# Altium PCB Ali_Main_Board.PcbDoc (part 3 of 3)
Units mm, origin at the board's own origin, x right, y up, seen from the top; angles counter-clockwise.
Board outline 180.2 x 130.2 mm, 2 copper layers (Top Layer, Bottom Layer); 286 components, 198 nets, 878 pads, 305 vias.
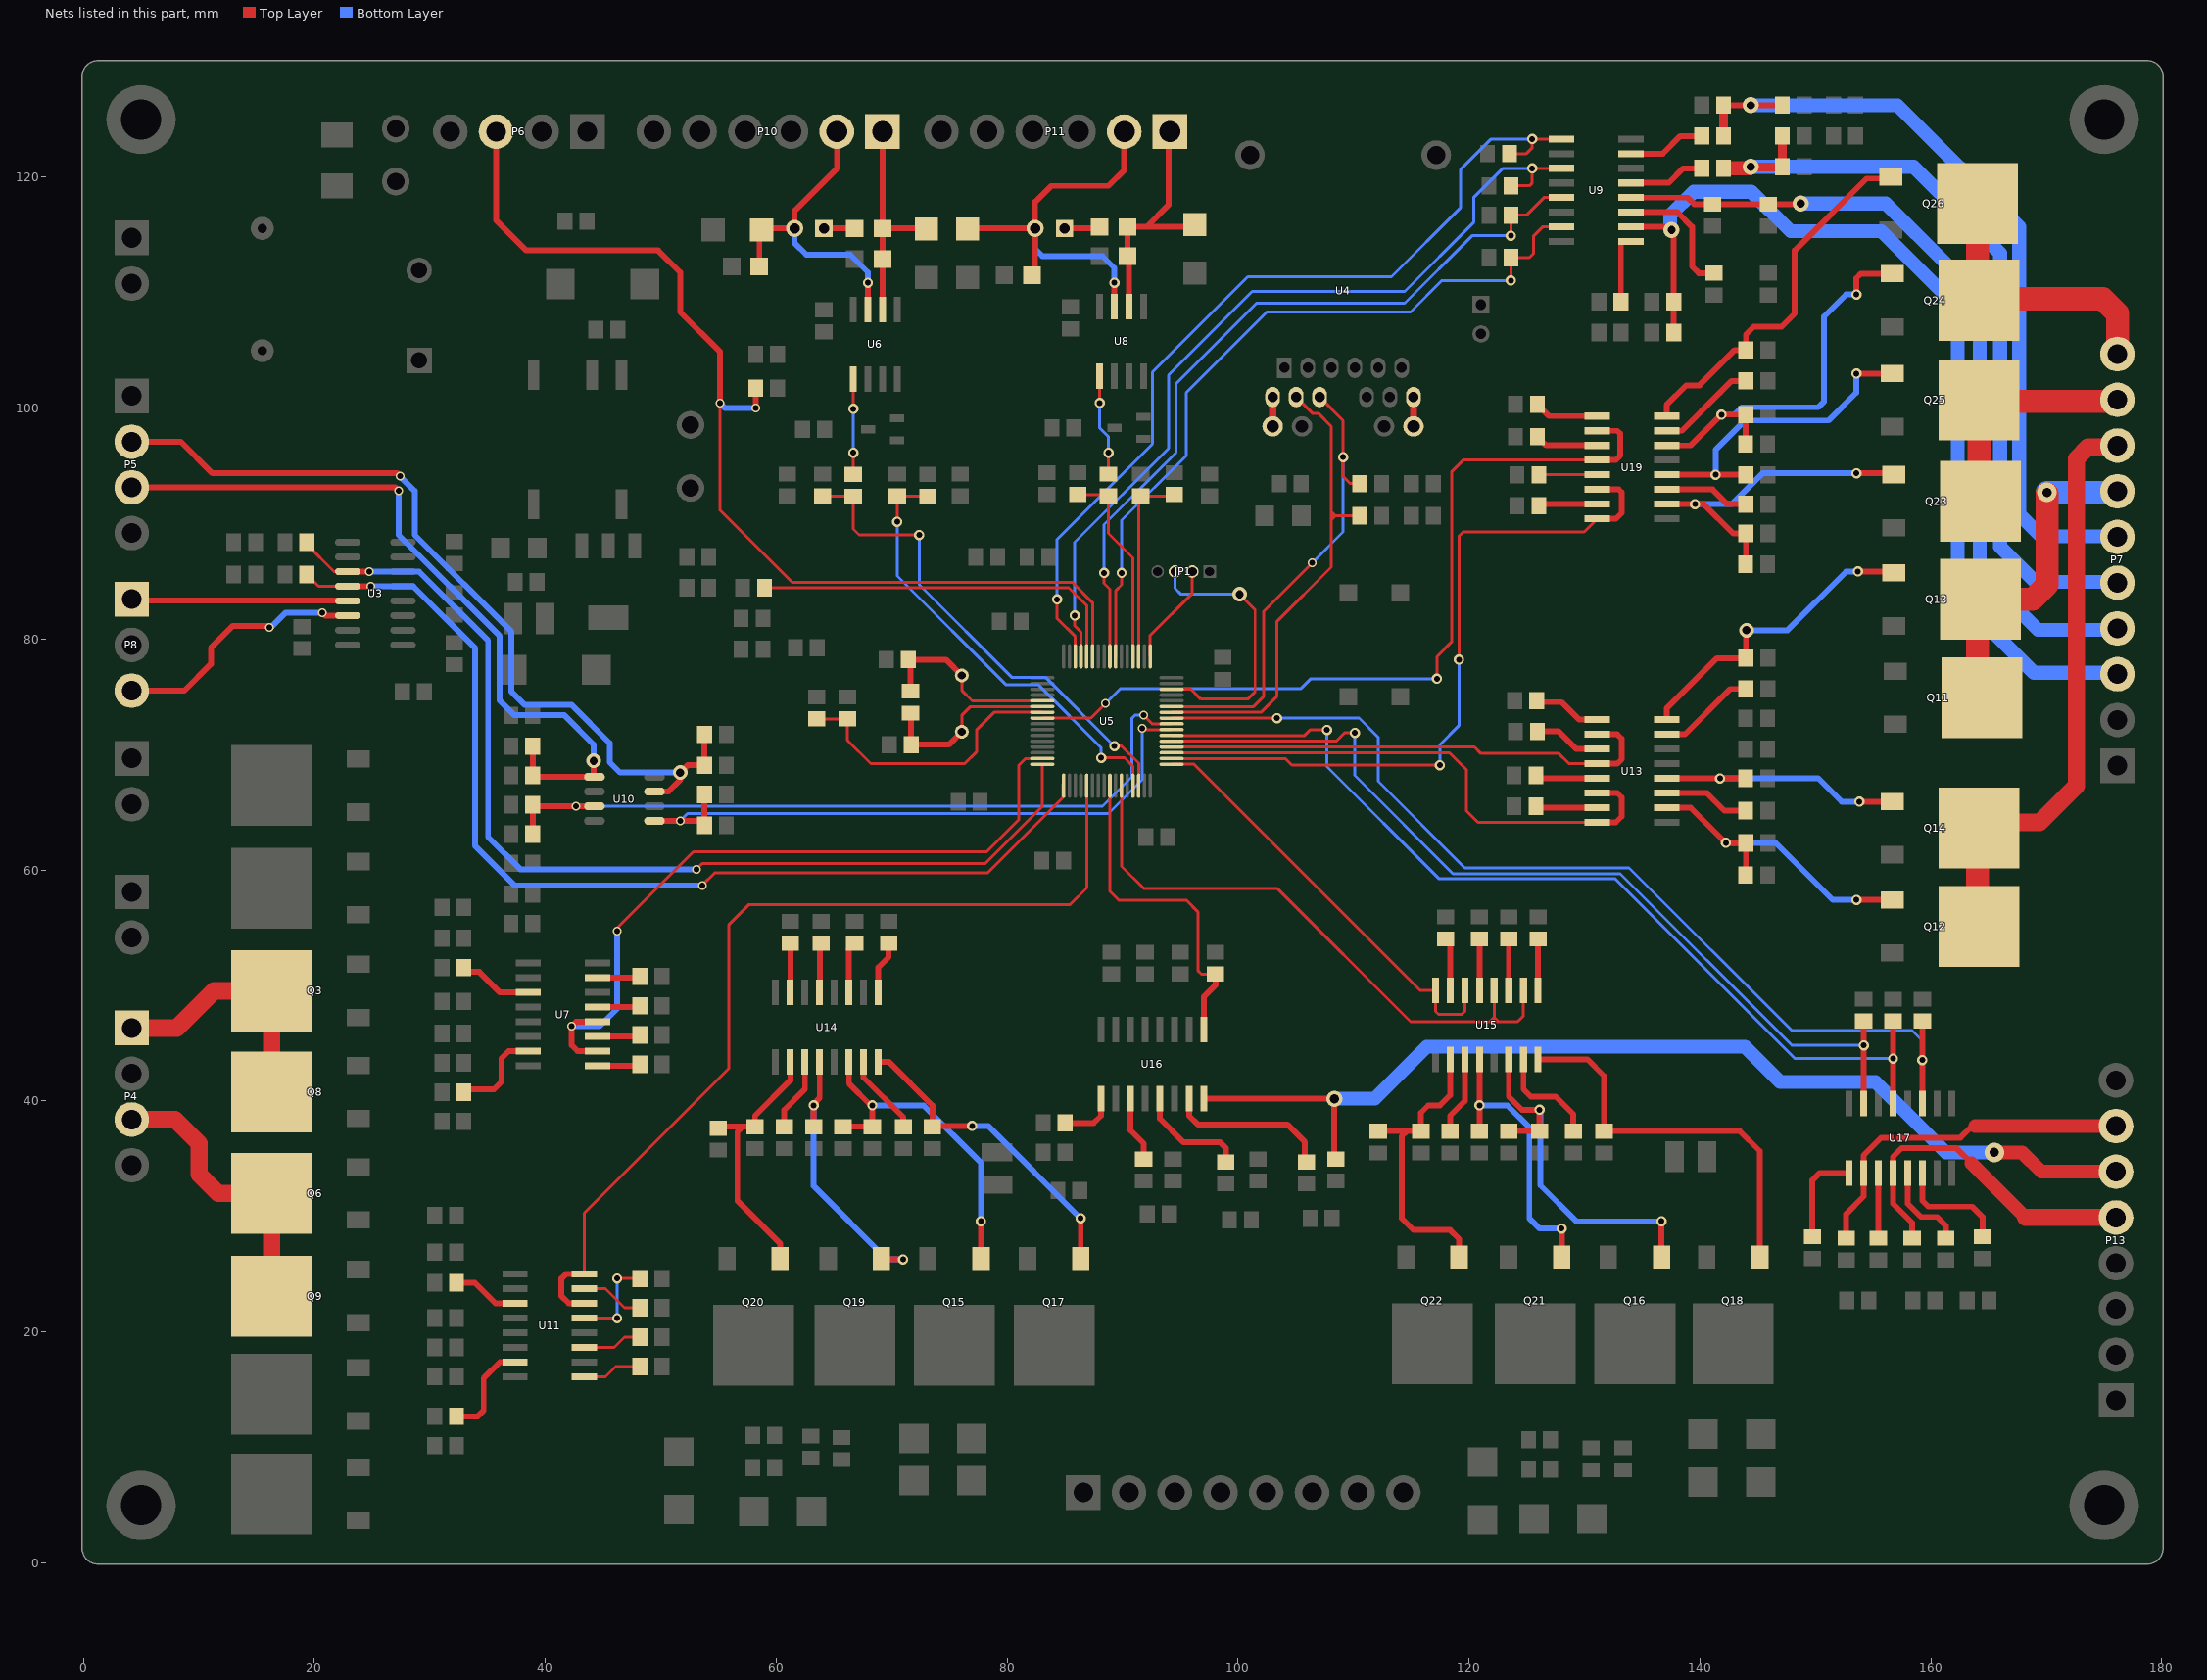
[diagram p3: the nets of this part, all layers, seen from the top]

## Via types
v1: diameter 1.27, hole 0.762, Top Layer to Bottom Layer, 77 vias
v2: diameter 0.889, hole 0.508, Top Layer to Bottom Layer, 68 vias
v3: diameter 1.27, hole 0.711, Top Layer to Bottom Layer, 57 vias
v4: diameter 1.7, hole 0.8, Top Layer to Bottom Layer, 56 vias
v5: diameter 0.762, hole 0.508, Top Layer to Bottom Layer, 31 vias
v6: diameter 1.2, hole 0.7, Top Layer to Bottom Layer, 5 vias
v7: diameter 1.4, hole 0.7, Top Layer to Bottom Layer, 5 vias
v8: diameter 1.2, hole 0.8, Top Layer to Bottom Layer, 2 vias
v9: diameter 1.4, hole 0.8, Top Layer to Bottom Layer, 2 vias
v10: diameter 3.4, hole 3.4, Top Layer to Bottom Layer, 2 vias

## Nets (pads, with @x,y where several pads share a name; then routed paths per layer and width w, separated by ;. In a path a pad name is that pad's centre, name@x,y a point inside that pad or via, vN(x,y) a via of type N, cw(c..) or ccw(c..) an arc to the next point about the centre after c; other vN are vias at no path point) (continued)
NetQ12_1: Q12.1 R87.1 R88.2 U13.10 | length 27.4
  Top Layer w0.5: U13.10@137.112,65.405 139.192,65.405 v2(142.24,62.357) R87.1@143.971,62.357 143.971,59.577 R88.2@143.957,59.563 ; v2(153.543,57.418) Q12.1@156.651,57.418
  Bottom Layer w0.5: v2(142.24,62.357) 146.558,62.357 151.497,57.418 v2(153.543,57.418)
NetQ13_1: Q13.1 R82.1 U13.16 | length 26.7
  Top Layer w0.5: U13.16@137.112,73.025 137.112,73.993 141.478,78.359 R82.1@143.971,78.359 143.971,80.772 v3(144.018,80.772) ; v2@153.864,85.852 Q13.1@156.718,85.852
  Bottom Layer w0.5: v3(144.018,80.772) 147.574,80.772 152.654,85.852 v2(153.67,85.852)
NetQ14_1: Q14.1 R85.1 U13.12 | length 22
  Top Layer w0.5: U13.12@137.747,67.945 R85.1@144.018,67.945 ; v2(153.811,65.927) Q14.1@156.651,65.927
  Bottom Layer w0.5: v2(141.732,67.945) 150.241,67.945 152.259,65.927 v2(153.811,65.927)
NetQ15_1: Q15.1 R97.1 R98.2 U14.14 | length 29
  Top Layer w0.5: R98.2@65.786,37.78 R97.1@68.326,37.78 v2(68.326,39.624) ; U14.14@66.294,43.403 66.308,43.389 66.308,41.515 68.199,39.624 v2@68.453,39.624 ; v2(77.724,29.591) 77.738,29.577 Q15.1@77.738,26.356
  Bottom Layer w0.5: v2(68.326,39.624) 72.771,39.624 77.724,34.671 v2(77.724,29.591)
NetQ16_1: Q16.1 R96.1 R100.2 U15.14 | length 32.3
  Top Layer w0.5: R100.2@123.444,37.399 R96.1@126.111,37.399 v2(126.111,39.243) 124.587,39.243 123.444,40.386 U15.14@123.444,43.601 ; Q16.1@136.666,26.483 v2(136.666,29.591)
  Bottom Layer w0.5: v2(126.111,39.243) 126.176,39.178 126.176,32.701 129.286,29.591 v2(136.666,29.591)
NetQ17_1: Q17.1 R93.1 U14.16 | length 27.8
  Top Layer w0.5: U14.16@68.834,43.403 69.754,43.403 73.533,39.624 R93.1@73.533,37.78 ; R93.1@73.599,37.846 v2(76.962,37.846) v2@76.896,37.78 ; v2(86.36,29.845) 86.374,29.831 Q17.1@86.374,26.356
  Bottom Layer w0.5: v2(76.962,37.846) 78.359,37.846 v2(86.36,29.845)
NetQ18_1: Q18.1 R95.1 U15.16 | length 34.5
  Top Layer w0.5: U15.16@125.984,43.601 130.262,43.601 131.699,42.164 R95.1@131.699,37.399 143.449,37.399 145.175,35.673 Q18.1@145.175,26.483
NetQ19_1: Q19.1 R107.1 U14.12 | length 25.1
  Top Layer w0.5: R107.1@63.246,37.78 63.246,39.751 63.768,40.273 63.768,43.389 U14.12@63.754,43.403 ; Q19.1@69.102,26.356 69.169,26.289 v2(70.993,26.289)
  Bottom Layer w0.5: v2(63.246,39.624) 63.246,32.639 69.596,26.289 v2(70.993,26.289)
NetQ20_1: Q20.1 R108.1 R112.2 U14.10 | length 23.1
  Top Layer w0.5: R112.2@54.991,37.653 55.118,37.78 57.084,37.78 ; Q20.1@60.339,26.483 60.339,27.672 56.642,31.369 56.642,37.338 57.084,37.78 ; U14.10@61.214,43.403 61.228,43.389 61.228,41.797 58.166,38.735 R108.1@58.166,37.78 57.084,37.78
NetQ21_1: Q21.1 R109.1 U15.12 | length 24.8
  Top Layer w0.5: R109.1@120.904,37.399 v2(120.904,39.624) U15.12@120.904,43.601 ; v2(128.016,28.956) 128.03,28.942 Q21.1@128.03,26.483
  Bottom Layer w0.5: v2(120.904,39.624) 123.317,39.624 125.222,37.719 125.222,29.845 126.111,28.956 v2(128.016,28.956)
NetQ22_1: Q22.1 R110.1 R114.2 U15.10 | length 26.5
  Top Layer w0.5: R114.2@112.141,37.399 114.615,37.399 ; U15.10@118.364,43.601 118.364,40.513 117.475,39.624 116.459,39.624 115.824,38.989 R110.1@115.824,37.399 114.615,37.399 ; Q22.1@119.14,26.483 119.14,28.053 118.364,28.829 115.189,28.829 114.173,29.845 114.173,36.957 114.615,37.399
NetQ23_1: Q23.1 R120.1 R121.2 U19.10 | length 29
  Top Layer w0.5: U19.10@137.112,91.694 140.335,91.694 142.875,89.154 R120.1@143.971,89.154 143.971,86.501 R121.2@143.957,86.487 ; v2(153.543,94.361) Q23.1@156.845,94.361
  Bottom Layer w0.5: v2(139.573,91.694) 142.748,91.694 145.415,94.361 v2(153.543,94.361)
NetQ24_1: Q24.1 R118.1 R122.2 U19.14 | length 35.5
  Top Layer w0.5: U19.14@137.112,96.774 139.192,96.774 v2(141.859,99.441) R118.1@143.971,99.441 143.957,99.427 R122.2@143.957,96.901 ; v2(153.543,109.855) 153.543,111.252 153.938,111.647 Q24.1@156.651,111.647
  Bottom Layer w0.5: v2(141.859,99.441) 143.002,99.441 143.637,100.076 150.241,100.076 150.749,100.584 150.749,107.95 152.654,109.855 v2(153.543,109.855)
NetQ25_1: Q25.1 R119.1 U19.12 | length 27.4
  Top Layer w0.5: U19.12@137.747,94.234 R119.1@144.018,94.234 ; v2(153.543,102.997) Q25.1@156.591,102.997
  Bottom Layer w0.5: v2(141.351,94.234) 141.351,96.393 143.891,98.933 151.13,98.933 153.543,101.346 v2(153.543,102.997)
NetQ26_1: Q26.1 R117.1 U19.16 | length 32.5
  Top Layer w0.5: U19.16@137.112,99.314 137.112,100.282 138.811,101.981 139.954,101.981 143.002,105.029 R117.1@143.971,105.029 143.971,106.379 144.653,107.061 147.066,107.061 148.209,108.204 148.209,109.22 148.209,113.665 154.432,119.888 Q26.1@156.538,119.888
NetR7_2: R7.2 U5.60 | length 32.9
  Top Layer w0.254: R7.2@58.989,84.455 60.833,84.455 74.422,84.455 85.344,84.455 86.896,82.903 U5.60@86.896,78.512
NetR15_1: R15.1 W1.1 | length 2.7
  Top Layer w0.5: W1.1@64.135,115.57 R15.1@66.802,115.57
NetR16_1: R16.1 U7.1 | length 3.7
  Top Layer w0.508: U7.1@44.529,43.053 48.072,43.053 R16.1@48.199,43.18
NetR17_2: R17.2 U7.3 | length 3.7
  Top Layer w0.508: U7.3@44.529,45.593 48.072,45.593 R17.2@48.199,45.72
NetR18_2: R18.2 U7.5 | length 3.7
  Top Layer w0.508: U7.5@44.529,48.133 48.072,48.133 R18.2@48.199,48.26
NetR19_2: R19.2 U7.7 | length 3.7
  Top Layer w0.508: U7.7@44.529,50.673 48.072,50.673 R19.2@48.199,50.8
NetR20_2: R20.2 U7.15 | length 8.1
  Top Layer w0.5: R20.2@32.954,41.021 35.56,41.021 36.195,41.656 36.195,43.688 36.83,44.323 U7.15@38.529,44.323
NetR22_2: R22.2 U7.11 | length 6.3
  Top Layer w0.508: R22.2@32.954,51.181 34.29,51.181 36.068,49.403 U7.11@38.529,49.403
NetR30_1: R30.1 U6.1 | length 8.2
  Top Layer w0.254: R30.1@66.675,94.281 v2(66.675,96.139) ; v2(66.675,99.949) U6.1@66.675,102.489
  Bottom Layer w0.254: v2(66.675,96.139) v2(66.675,99.949)
NetR32_1: R32.1 U8.1 | length 8.8
  Top Layer w0.254: v2(88.011,100.457) U8.1@88.011,102.791 ; R32.1@88.773,94.295 v2(88.773,96.139)
  Bottom Layer w0.254: v2(88.011,100.457) 88.011,98.298 88.773,97.536 v2(88.773,96.139)
NetR36_1: R36.1 W2.1 | length 3.1
  Top Layer w0.5: W2.1@84.963,115.57 87.884,115.57 R36.1@88.011,115.697
NetR37_2: R37.2 U11.1 | length 5.2
  Top Layer w0.254: U11.1@43.386,16.129 45.212,16.129 46.101,17.018 R37.2@48.199,17.018
NetR38_2: R38.2 U11.3 | length 5.2
  Top Layer w0.254: U11.3@43.386,18.669 45.974,18.669 46.863,19.558 R38.2@48.199,19.558
NetR39_1: R39.1 U11.5 | length 8.2
  Top Layer w0.254: U11.5@43.386,21.209 v2(46.228,21.209) ; v2(46.228,24.638) R39.1@48.199,24.638
  Bottom Layer w0.254: v2(46.228,21.209) v2(46.228,24.638)
NetR44_2: R44.2 U9.5 | length 6
  Top Layer w0.508: U9.5@134.691,119.507 137.287,119.507 138.557,120.777 R44.2@140.147,120.777
NetR45_2: R45.2 U9.7 | length 6.1
  Top Layer w0.508: U9.7@134.691,122.047 136.779,122.047 138.303,123.571 R45.2@140.147,123.571
NetR46_2: R46.2 U9.1 | length 6.6
  Top Layer w0.5: R46.2@133.157,109.22 133.157,114.234 133.35,114.427 U9.1@134.691,114.427
NetR47_2: R47.2 U9.3 | length 10.7
  Top Layer w0.5: U9.3@134.691,116.967 138.049,116.967 139.319,115.697 139.319,112.268 139.893,111.694 R47.2@141.224,111.694
NetR52_2: R52.2 U11.7 | length 5.5
  Top Layer w0.254: U11.7@43.386,23.749 45.212,23.749 46.863,22.098 R52.2@48.199,22.098
NetR53_2: R53.2 U11.11 | length 5.8
  Top Layer w0.5: R53.2@32.319,24.257 33.909,24.257 35.687,22.479 U11.11@37.386,22.479
NetR54_2: R54.2 U11.15 | length 8.7
  Top Layer w0.5: R54.2@32.319,12.7 34.163,12.7 34.671,13.208 34.671,16.002 36.068,17.399 U11.15@37.386,17.399
NetR61_2: R61.2 U17.1 | length 8.3
  Top Layer w0.5: R61.2@149.733,28.255 149.733,33.147 150.368,33.782 U17.1@152.908,33.782
NetR64_2: R64.2 U16.7 | length 14.2
  Top Layer w0.5: U16.7@95.758,40.202 95.758,38.735 96.52,37.973 104.267,37.973 105.791,36.449 R64.2@105.791,34.732
NetR67_2: R67.2 U16.1 | length 5.8
  Top Layer w0.5: R67.2@85.024,38.1 87.503,38.1 88.138,38.735 U16.1@88.138,40.202 U16.1@88.138,39.243
NetR70_2: R70.2 U16.3 | length 5.7
  Top Layer w0.5: U16.3@90.678,40.202 90.678,37.465 91.821,36.322 R70.2@91.821,34.986
NetR74_1: R74.1 U13.1 | length 7.3
  Top Layer w0.5: R74.1@125.852,74.676 125.979,74.549 127.889,74.549 ; R74.1@126.492,74.549 128.016,74.549 129.54,73.025 U13.1@131.112,73.025
NetR75_1: R75.1 U13.3 | length 5.8
  Top Layer w0.508: R75.1@125.918,72.009 127.762,72.009 129.286,70.485 U13.3@131.112,70.485
NetR76_1: R76.1 U13.5 | length 5.4
  Top Layer w0.508: R76.1@125.791,68.199 126.045,67.945 U13.5@131.112,67.945
NetR77_1: R77.1 U13.7 | length 5.4
  Top Layer w0.508: R77.1@125.791,65.532 125.918,65.405 U13.7@131.112,65.405
NetR79_2: R79.2 U16.5 | length 10.1
  Top Layer w0.5: U16.5@93.218,40.202 93.218,38.481 95.25,36.449 98.425,36.449 98.933,35.941 R79.2@98.933,34.351
NetR81_2: R81.2 U13.15 | length 8.5
  Top Layer w0.5: U13.15@137.112,71.755 138.684,71.755 142.621,75.692 R81.2@143.971,75.692
NetR86_2: R86.2 U13.11 | length 7.5
  Top Layer w0.508: U13.11@137.112,66.675 140.589,66.675 142.113,65.151 R86.2@143.957,65.151
NetR89_2: R89.2 U14.1 | length 4.6
  Top Layer w0.508: U14.1@68.834,49.403 68.848,49.417 68.848,51.576 69.737,52.465 R89.2@69.737,53.66
NetR90_2: R90.2 U14.3 | length 4.5
  Top Layer w0.508: U14.3@66.294,49.403 66.308,49.417 66.308,53.166 R90.2@66.802,53.66
NetR91_2: R91.2 U15.1 | length 4.4
  Top Layer w0.254: R91.2@125.984,53.848 R91.2@125.984,54.041
  Top Layer w0.508: U15.1@125.984,49.601 R91.2@125.984,53.848
NetR92_2: R92.2 U15.3 | length 4.4
  Top Layer w0.5: U15.3@123.444,49.601 R92.2@123.444,54.041
NetR94_2: R94.2 U14.15 | length 7
  Top Layer w0.5: U14.15@67.564,43.403 67.564,42.037 71.007,38.594 R94.2@71.007,37.78
NetR99_2: R99.2 U15.15 | length 9.3
  Top Layer w0.5: U15.15@124.714,43.601 124.714,41.021 125.349,40.386 127.508,40.386 129.032,38.862 R99.2@129.032,37.399
NetR103_1: R103.1 U19.1 | length 5.6
  Top Layer w0.5: R103.1@125.918,100.33 126.934,99.314 U19.1@131.112,99.314
NetR104_1: R104.1 U19.3 | length 5.5
  Top Layer w0.508: R104.1@125.918,97.536 126.68,96.774 U19.3@131.112,96.774
NetR105_1: R105.1 U19.5 | length 5.1
  Top Layer w0.254: R105.1@125.791,94.234 U19.5@130.937,94.234
NetR106_1: R106.1 U19.7 | length 5.1
  Top Layer w0.508: R106.1@126.045,91.567 126.172,91.694 U19.7@131.112,91.694
NetR111_2: R111.2 U14.11 | length 6.4
  Top Layer w0.5: R111.2@60.706,37.78 60.706,39.243 62.498,41.035 62.498,43.389 U14.11@62.484,43.403
NetR113_2: R113.2 U15.11 | length 6.7
  Top Layer w0.5: R113.2@118.364,37.399 118.364,38.735 119.634,40.005 U15.11@119.634,43.601
NetR115_2: R115.2 U19.11 | length 6.8
  Top Layer w0.5: U19.11@137.747,92.964 141.097,92.964 142.367,91.694 R115.2@143.971,91.694
NetR116_2: R116.2 U19.15 | length 8.6
  Top Layer w0.5: U19.15@137.112,98.044 138.43,98.044 141.732,101.346 142.748,102.362 R116.2@143.971,102.362
NetR123_1: R123.1 U14.5 | length 4.3
  Top Layer w0.508: U14.5@63.754,49.403 63.768,49.417 63.768,53.533 R123.1@63.895,53.66
NetR124_1: R124.1 U14.7 | length 4.3
  Top Layer w0.508: U14.7@61.214,49.403 61.228,49.417 R124.1@61.228,53.66
NetR125_2: R125.2 U15.5 | length 4.4
  Top Layer w0.508: U15.5@120.904,49.601 R125.2@120.904,54.041
NetR126_2: R126.2 U15.7 | length 4.6
  Top Layer w0.5: R126.2@117.983,54.041 118.364,53.66 U15.7@118.364,49.601
NetR129_2: R129.2 U17.3 | length 5.7
  Top Layer w0.5: R129.2@155.448,28.128 U17.3@155.448,33.782
NetR130_2: R130.2 U17.5 | length 7.8
  Top Layer w0.5: U17.5@157.988,33.782 157.988,31.115 159.131,29.972 160.528,29.972 161.29,29.21 R130.2@161.29,28.128
NetU4_7: U4.7 U4.13 | length 2.5
  Top Layer w0.6: U4.13@102.997,98.425 U4.7@102.997,100.965
NetU4_12: U4.12 U4.16 | length 2.5
  Top Layer w0.6: U4.16@115.189,98.425 U4.12@115.189,100.965
NPN1: R48.2 U5.55 U9.15 | length 65.5
  Top Layer w0.254: U5.55@89.396,78.512 89.419,78.535 89.419,84.212 89.916,84.709 v2(89.916,85.725) ; v2(123.632,111.059) R48.2@123.632,113.03 ; R48.2@123.759,113.03 125.222,113.03 125.603,113.411 125.603,114.935 126.365,115.697 U9.15@127.691,115.697
  Bottom Layer w0.254: v2(89.916,85.725) 89.916,90.297 95.504,95.885 95.504,101.346 102.489,108.331 114.935,108.331 117.663,111.059 v2@123.759,111.059
NPN2: R49.2 U5.56 U9.13 | length 67.1
  Top Layer w0.254: v2(88.392,85.725) 88.392,84.832 88.896,84.328 U5.56@88.896,78.512 U5.56@88.9,78.516 ; v2(123.632,114.935) R49.2@123.632,116.713 ; R49.2@123.759,116.713 124.968,116.713 126.492,118.237 U9.13@127.691,118.237
  Bottom Layer w0.254: v2(88.392,85.725) 88.392,89.916 94.615,96.139 94.615,102.108 101.6,109.093 114.427,109.093 120.269,114.935 v2(123.632,114.935)
NPNSENSOR1: C24.2 LED20.2 P7.3 U9.2 | length 84.3
  Top Layer w0.5: U9.2@134.691,115.697 v7@137.221,115.697 ; LED20.2@137.729,106.553 C24.2@137.729,109.22 137.729,113.985 v7@137.729,115.189
  Bottom Layer w1.2: v7@137.414,115.443 137.414,116.713 139.446,118.745 140.589,118.745 144.437,118.745 147.866,115.316 155.702,115.316 162.306,108.712 162.306,83.693 168.91,77.089 176.155,77.089 P7.3@176.403,76.841
  other v7: 137.541,115.443
NPNSENSOR2: C25.2 LED11.2 P7.4 U9.4 | length 71.2
  Top Layer w0.5: U9.4@134.691,118.237 138.938,118.237 139.512,117.663 C25.2@141.097,117.663 LED11.2@145.923,117.663 148.651,117.663 v7(148.717,117.729)
  Bottom Layer w1.2: v7(148.717,117.729) 156.083,117.729 161.417,112.395 164.211,109.601 164.211,85.852 169.262,80.801 P7.4@176.403,80.801
OSCIN1: C18.2 R12.2 U5.5 Y1.1 | length 16.7
  Top Layer w0.254: Y1.1@76.073,76.862 76.073,75.565 76.976,74.662 U5.5@83.046,74.662
  Top Layer w0.508: R12.2@71.628,75.499 71.628,78.039 C18.2@71.435,78.232 74.703,78.232 Y1.1@76.073,76.862
OSCOUT1: C16.2 R12.1 U5.6 Y1.2 | length 16.3
  Top Layer w0.254: Y1.2@76.073,71.982 76.073,73.406 76.829,74.162 U5.6@83.046,74.162
  Top Layer w0.508: R12.1@71.628,73.599 71.689,73.538 C16.2@71.689,70.866 74.957,70.866 Y1.2@76.073,71.982
OUTPUTSEN: R132.2 U5.41 U17.11 | length 87.6
  Top Layer w0.254: U5.41@94.246,73.162 v2@103.378,73.162
  Top Layer w0.508: U17.11@159.258,39.782 v2(159.258,43.561) R132.2@159.258,46.929
  Bottom Layer w0.254: v2@103.378,73.162 110.48,73.162 112.141,71.501 112.141,67.691 119.634,60.198 133.858,60.198 147.955,46.101 158.369,46.101 159.258,45.212 v2(159.258,43.561)
  other v2: 103.378,73.152
OUTPUTSENSOR: LED24.2 U17.6 | length 9.9
  Top Layer w0.5: U17.6@159.258,33.782 159.258,31.369 159.766,30.861 163.576,30.861 164.465,29.972 LED24.2@164.465,28.255
PNP1: R50.2 U5.61 U9.11 | length 73.4
  Top Layer w0.254: v2(85.852,82.042) 85.852,81.153 86.396,80.609 U5.61@86.396,78.512 ; R50.2@123.759,119.253 125.222,119.253 125.476,119.507 v2(125.476,120.777) U9.11@127.691,120.777
  Bottom Layer w0.254: v2(85.852,82.042) 85.852,88.392 93.98,96.52 93.98,102.87 101.219,110.109 114.427,110.109 120.396,116.078 120.396,118.237 122.936,120.777 v2(125.476,120.777)
PNP2: R51.2 U5.62 U9.9 | length 77.2
  Top Layer w0.254: v2@84.328,83.566 v2(84.328,83.439) 84.328,81.788 85.896,80.22 U5.62@85.896,78.512 ; R51.2@123.505,122.047 124.968,122.047 125.476,122.555 v2(125.476,123.317) U9.9@127.691,123.317
  Bottom Layer w0.254: v2(84.328,83.439) 84.328,88.646 92.583,96.901 92.583,103.124 100.838,111.379 113.284,111.379 119.253,117.348 119.253,120.65 121.92,123.317 v2(125.476,123.317)
PNPSENSOR1: C26.2 P7.5 R40.1 R44.1 | length 69.8
  Top Layer w0.762: v7@144.272,120.777 v7(144.399,120.904) C26.2@147.132,120.904 147.132,123.632 R40.1@147.066,123.698
  Top Layer w1.2: R44.1@142.047,120.777 v7@144.272,120.777
  Bottom Layer w1.2: v7(144.399,120.904) 158.496,120.904 165.989,113.411 165.989,88.011 169.037,84.963 176.201,84.963 P7.5@176.403,84.761
PNPSENSOR2: C27.2 P7.6 R41.1 R45.1 | length 69.5
  Top Layer w0.5: C27.2@142.047,126.238 v7(144.399,126.238) R41.1@146.751,126.238
  Top Layer w0.762: R45.1@142.047,123.571 C27.2@142.047,126.238
  Bottom Layer w1.2: v7(144.399,126.238) 157.099,126.238 167.64,115.697 167.64,90.805 169.545,88.9 176.224,88.9 P7.6@176.403,88.721
RESET: C22.2 R6.2 U5.7 | length 25.2
  Top Layer w0.254: R6.2@63.5,73.091 C22.2@66.167,73.091 66.167,71.247 68.199,69.215 76.327,69.215 77.343,70.231 77.343,72.136 78.869,73.662 U5.7@83.046,73.662
RIGHT-OPPOSITE: R131.2 U5.38 U17.13 | length 83.5
  Top Layer w0.254: U5.38@94.246,71.662 105.757,71.662 106.231,72.136 v2(107.696,72.136)
  Top Layer w0.508: U17.13@156.718,39.782 v2(156.718,43.688) R131.2@156.718,46.929
  Bottom Layer w0.254: v2(107.696,72.136) 107.696,68.961 117.421,59.236 132.661,59.236 148.209,43.688 v2(156.718,43.688)
RIGHT-OPPOSITESENSOR: LED23.2 P13.5 U17.4 | length 29.8
  Top Layer w0.5: LED23.2@158.369,28.128 158.369,29.464 156.718,31.115 U17.4@156.718,33.782 156.718,35.179 157.48,35.941 162.179,35.941 163.512,34.608
  Top Layer w1.2: 163.512,34.608 168.2,29.92
  Top Layer w1.5: 168.2,29.92 P13.5@176.022,29.92
RIGHTGATE-A: U5.27 U15.2 U15.4 | length 53.6
  Top Layer w0.254: U5.27@89.896,67.312 89.919,67.289 89.919,60.322 91.821,58.42 103.378,58.42 114.935,46.863 124.206,46.863 124.714,47.371 U15.2@124.714,49.601 ; 121.793,46.863 122.174,47.244 ; 122.174,46.863 122.174,47.244 ; U15.4@122.174,49.601 122.174,47.244 ; 122.555,46.863 122.174,47.244
RIGHTGATE-B: U5.33 U15.6 U15.8 | length 37.4
  Top Layer w0.254: U5.33@94.246,69.162 96.192,69.162 115.753,49.601 U15.8@117.094,49.601 117.094,47.752 117.348,47.498 119.38,47.498 119.634,47.752 U15.6@119.634,49.601
RIGHTS-CLOSE: R62.2 U5.37 U17.15 | length 80.9
  Top Layer w0.254: U5.37@94.246,71.162 108.5,71.162 109.22,71.882 v2(110.109,71.882) ; R62.2@154.178,46.929 R62.2@154.178,47.117
  Top Layer w0.508: U17.15@154.178,39.782 v2(154.178,44.831) R62.2@154.178,46.929
  Bottom Layer w0.254: v2(110.109,71.882) 110.109,68.199 118.618,59.69 133.096,59.69 147.955,44.831 v2(154.178,44.831)
RIGHTS-OPEN: R65.2 U5.25 U16.9 | length 28.5
  Top Layer w0.254: U5.25@88.896,67.312 88.896,58.17 89.662,57.404 95.504,57.404 96.52,56.388 96.52,51.308 96.835,50.993 R65.2@98.044,50.993
  Top Layer w0.508: U16.9@97.028,47.202 97.028,49.022 98.044,50.038 R65.2@98.044,50.993
RIGHTSENSOR-CLOSE: LED6.2 P13.7 U17.2 | length 30.7
  Top Layer w0.5: LED6.2@152.654,28.128 152.654,30.226 154.178,31.75 U17.2@154.178,33.782 154.178,35.306 155.702,36.83 162.56,36.83 163.57,37.84 163.83,37.84
  Top Layer w1.2: 163.83,37.84 P13.7@176.022,37.84
RIGHTSENSOR-OPEN: LED7.2 P13.6 U16.8 | length 90.6
  Top Layer w0.5: U16.8@97.028,40.202 v9(108.331,40.202) LED7.2@108.331,34.986
  Top Layer w1.2: v4(165.481,35.56) 167.894,35.56 169.574,33.88 P13.6@176.022,33.88
  Bottom Layer w1.2: v9(108.331,40.202) 111.83,40.202 116.332,44.704 143.891,44.704 146.939,41.656 155.194,41.656 161.29,35.56 v4(165.481,35.56)
RS232_RX2: P8.3 U3.14 | length 22.5
  Top Layer w0.508: P8.3@4.191,75.542 8.74,75.542 11.049,77.851 11.049,79.248 12.954,81.153 16.002,81.153 v5(16.129,81.026) ; v5(20.701,82.296) 20.955,82.042 U3.14@22.886,82.042
  Bottom Layer w0.508: v5(16.129,81.026) 16.256,81.026 17.526,82.296 v5(20.701,82.296)
RS232_TX2: P8.1 U3.13 | length 18.8
  Top Layer w0.508: P8.1@4.191,83.462 4.316,83.337 22.861,83.337 U3.13@22.886,83.312
RS485-A1: D5.1 P10.1 R15.2 R133.2 U6.6 | length 19.3
  Top Layer w0.5: P10.1@69.209,123.952 69.215,123.946 R15.2@69.215,115.57 ; U6.6@69.215,108.537 R133.2@69.215,112.903 R15.2@69.215,115.57 ; D5.1@73.025,115.511 72.966,115.57 R15.2@69.215,115.57
RS485-A2: D15.1 P11.1 R36.2 R135.2 U8.6 | length 22.5
  Top Layer w0.5: R135.2@90.424,113.157 R36.2@90.424,115.697 92.075,115.697 ; U8.6@90.551,108.791 R135.2@90.551,113.03 ; P11.1@93.974,124.714 93.974,117.596 92.075,115.697 ; D15.1@96.266,115.892 96.071,115.697 92.075,115.697
RS485-B1: D14.2 P10.2 R134.1 U6.7 W1.2 | length 28
  Top Layer w0.5: R134.1@58.547,112.268 58.547,115.248 D14.2@58.742,115.443 58.869,115.57 W1.2@61.595,115.57 61.595,117.094 65.249,120.748 P10.2@65.249,123.952 ; U6.7@67.945,108.537 v2(67.945,110.871)
  Bottom Layer w0.5: W1.2@61.595,115.57 61.595,114.3 62.611,113.284 66.421,113.284 67.945,111.76 v2(67.945,110.871)
RS485-B2: D16.2 P11.2 R136.1 U8.7 W2.2 | length 37.3
  Top Layer w0.5: D16.2@76.581,115.511 76.64,115.57 W2.2@82.423,115.57 ; R136.1@82.423,111.252 W2.2@82.423,115.57 ; U8.7@89.281,108.791 v2(89.281,110.871) ; P11.2@90.141,123.952 90.141,120.621 88.773,119.253 83.82,119.253 82.423,117.856 W2.2@82.423,115.57
  Bottom Layer w0.5: W2.2@82.423,115.57 82.423,113.792 83.058,113.157 88.265,113.157 89.281,112.141 v2(89.281,110.871)
RUN1: P4.1 Q3.2 Q8.2 | length 21.6
  Top Layer w1.5: P4.1@4.826,46.326 8.099,46.326 11.317,49.544 Q3.2@16.316,49.544 Q8.2@16.316,40.781
RUN1_OUT: U5.15 U7.2 U7.4 | length 63.7
  Top Layer w0.254: v5(46.228,54.737) 46.228,54.991 52.832,61.595 78.232,61.595 81.026,64.389 81.026,69.088 81.6,69.662 U5.15@83.046,69.662
  Top Layer w0.508: U7.2@44.529,44.323 42.799,44.323 42.291,44.831 v5(42.291,46.482) 42.672,46.863 U7.4@44.529,46.863
  Bottom Layer w0.508: v5(42.291,46.482) 44.704,46.482 46.228,48.006 v5(46.228,54.737)
RUN2: P4.3 Q6.2 Q9.2 | length 25.2
  Top Layer w1.5: P4.3@4.191,38.406 7.949,38.406 10.033,36.322 10.033,33.655 11.684,32.004 Q6.2@16.316,32.004 Q9.2@16.316,23.114
RUN2_OUT: U5.21 U11.6 U11.8 | length 82.5
  Top Layer w0.254: U11.8@43.386,25.019 43.386,30.305 55.88,42.799 55.88,55.245 57.658,57.023 85.471,57.023 86.896,58.448 U5.21@86.896,67.312
  Top Layer w0.508: U11.6@43.386,22.479 42.037,22.479 41.402,23.114 41.402,24.638 41.783,25.019 U11.8@43.386,25.019
SCK: P6.3 R9.2 U5.59 | length 92.8
  Top Layer w0.254: v5(55.118,100.457) 55.118,91.186 61.395,84.909 85.652,84.909 87.396,83.165 U5.59@87.396,78.512 ; v5(58.232,100.01) v5@58.293,99.949
  Top Layer w0.508: P6.3@35.739,123.952 35.739,116.28 38.354,113.665 49.784,113.665 51.689,111.76 51.689,108.331 55.118,104.902 v5(55.118,100.457) ; v5(58.232,100.01) R9.2@58.232,101.727
  Bottom Layer w0.508: v5(55.118,100.457) 55.565,100.01 v5(58.232,100.01)
SPARE1_24V/3A: U5.36 U13.2 U13.4 | length 43.8
  Top Layer w0.254: U5.36@94.246,70.662 120.473,70.662 121.031,70.104 127.762,70.104 128.651,69.215 U13.4@131.112,69.215
  Top Layer w0.508: U13.4@131.112,69.215 132.842,69.215 133.223,69.596 133.223,71.374 132.842,71.755 U13.2@131.112,71.755
SPARE1_24V/3A_OUT: P7.7 Q11.2 Q13.2 | length 28.9
  Top Layer w2: Q11.2@164.038,73.025 Q13.2@164.038,81.661 ; Q13.2@164.278,83.439 168.783,83.439 170.053,84.709 v4@170.053,92.583
  Bottom Layer w2: v4(170.053,92.71) 176.12,92.71 P7.7@176.149,92.681
SPARE2_24V/3A: U5.35 U13.6 U13.8 | length 47.9
  Top Layer w0.254: U5.35@94.246,70.162 118.306,70.162 119.761,68.707 ; 119.761,68.516 119.761,68.707 ; U13.8@131.112,64.135 120.777,64.135 119.761,65.151 119.761,68.707
  Top Layer w0.508: U13.8@131.112,64.135 132.715,64.135 133.223,64.643 133.223,66.294 132.842,66.675 U13.6@131.112,66.675
SPARE2_24V/3A_OUT: P7.8 Q12.2 Q14.2 | length 51
  Top Layer w1.2: Q14.2@164.151,63.627 Q14.2@164.659,64.135
  Top Layer w1.5: Q14.2@164.659,64.135 169.418,64.135 172.593,67.31 172.593,72.263 172.593,95.631 173.603,96.641 P7.8@176.149,96.641
  Top Layer w2: Q14.2@164.024,64.77 164.024,56.021 Q12.2@164.038,56.007
SPARE3_24V/3A: U5.34 U19.6 U19.8 | length 62.9
  Top Layer w0.254: U5.34@94.246,69.662 104.084,69.662 104.658,69.088 v2(117.475,69.088) ; v2(119.126,78.232) 119.126,88.9 119.507,89.281 129.969,89.281 U19.8@131.112,90.424
  Top Layer w0.508: U19.8@131.112,90.424 132.715,90.424 133.223,90.932 133.223,92.71 132.969,92.964 U19.6@131.112,92.964
  Bottom Layer w0.254: v2(117.475,69.088) 117.475,70.866 119.126,72.517 v2(119.126,78.232)
SPARE3_24V/3A_OUT: P7.9 Q23.2 Q25.2 | length 22.6
  Top Layer w2: Q23.2@164.151,90.297 164.151,100.601 171.086,100.601 P7.9@176.403,100.601
SPARE4_24V/3A: U5.8 U19.2 U19.4 | length 73.2
  Top Layer w0.254: U5.8@83.056,73.152 U5.8@83.046,73.162 87.259,73.162 v5(88.519,74.422) ; v2(117.221,76.581) 117.221,78.486 118.491,79.756 118.491,94.488 119.507,95.504 U19.4@131.112,95.504
  Top Layer w0.508: U19.4@131.112,95.504 132.715,95.504 133.096,95.885 133.096,97.79 132.842,98.044 U19.2@131.112,98.044
  Bottom Layer w0.254: v5(88.519,74.422) 89.789,75.692 105.41,75.692 106.299,76.581 v2(117.221,76.581)
SPARE4_24V/3A_OUT: P7.10 Q24.2 Q26.2 | length 23.6
  Top Layer w2: Q26.2@164.038,116.84 164.038,109.474 171.49,109.474 174.879,109.474 176.149,108.204 P7.10@176.149,104.561
TCK/SWCLK: JP1.2 U5.49 | length 8.8
  Top Layer w0.254: U5.49@92.396,78.512 92.396,80.331 96.036,83.971 JP1.2@96.036,85.852
TMS/SWDIO: JP1.3 U5.46 | length 24.4
  Top Layer w0.254: U5.46@94.246,75.662 95.915,75.662 96.774,74.803 100.838,74.803 101.473,75.438 101.473,82.55 v3(100.139,83.883) v3@99.949,84.074
  Bottom Layer w0.254: JP1.3@94.536,85.852 94.536,84.407 95.059,83.883 v3(100.139,83.883)
USART1_RX: LED3.2 U4.9 U5.43 | length 41.3
  Top Layer w0.254: U5.43@94.246,74.162 101.34,74.162 102.235,75.057 102.235,82.423 v5(106.426,86.614) ; U4.9@107.061,100.965 109.093,98.933 v2(109.093,95.758) 109.093,94.107 109.728,93.472 LED3.2@110.542,93.472
  Bottom Layer w0.254: v5(106.426,86.614) 109.093,89.281 v2(109.093,95.758)
USART1_TX: LED2.2 U4.8 U5.42 | length 42.8
  Top Layer w0.254: U5.42@94.246,73.662 101.983,73.662 103.378,75.057 103.378,81.534 108.077,86.233 108.077,90.297 ; U4.8@105.029,100.965 106.426,99.568 106.934,99.568 108.077,98.425 108.077,91.059 ; LED2.2@110.542,90.678 108.585,90.678 ; 108.077,90.297 108.458,90.678 ; 108.077,90.297 108.077,90.678 ; 108.077,90.678 108.585,90.678 ; 108.077,90.678 108.077,91.059 ; 108.077,91.059 108.458,90.678 ; 108.458,90.678 108.585,90.678
USART2_RX: D3.2 U3.12 U5.17 | length 91
  Top Layer w0.254: D3.2@19.365,85.598 20.381,84.582 U3.12@22.886,84.582 ; v5(53.594,58.674) 54.673,59.753 78.295,59.753 84.836,66.294 U5.17@84.836,67.437
  Top Layer w0.508: U3.12@22.886,84.582 v5(24.892,84.582)
  Bottom Layer w0.508: v5(24.892,84.582) 28.575,84.582 33.909,79.248 33.909,62.103 37.338,58.674 v5(53.594,58.674)
USART2_TX: D2.2 U3.11 U5.16 | length 91.4
  Top Layer w0.254: D2.2@19.365,88.392 19.365,88.204 21.717,85.852 U3.11@22.733,85.852 ; v5(53.086,60.071) 53.594,60.579 78.105,60.579 83.046,65.52 U5.16@83.046,69.162
  Top Layer w0.508: U3.11@22.733,85.852 U3.11@22.886,85.852 v5(24.765,85.852)
  Bottom Layer w0.508: v5(24.765,85.852) 29.083,85.852 35.052,79.883 35.052,62.865 37.846,60.071 v5(53.086,60.071)
USART3_RX: LED19.2 R30.2 U5.30 | length 43.2
  Top Layer w0.254: LED19.2@64.008,92.395 64.022,92.381 R30.2@66.675,92.381 66.675,89.535 67.183,89.027 v2(72.39,89.027) ; v2@89.154,70.739 v2(89.281,70.739) 89.916,70.739 91.396,69.259 U5.30@91.396,67.312
  Bottom Layer w0.254: v2(72.39,89.027) 72.39,84.709 80.391,76.708 83.312,76.708 v2(89.281,70.739)
USART3_TX: LED18.2 R31.1 U5.29 | length 39.1
  Top Layer w0.254: v2(70.485,90.17) 70.485,92.381 LED18.2@73.152,92.381 ; v2(88.138,69.723) 90.17,69.723 90.896,68.997 U5.29@90.896,67.312 ; U5.29@90.873,67.335 U5.29@90.896,67.312 ; U5.29@90.919,67.289 U5.29@90.896,67.312
  Bottom Layer w0.254: v2(70.485,90.17) 70.485,85.471 79.883,76.073 82.677,76.073 88.138,70.612 v2(88.138,69.723)
USART4_RX: LED13.2 R32.2 U5.52 | length 17.7
  Top Layer w0.254: LED13.2@86.36,92.522 89.267,92.522 R32.2@89.281,92.536 ; R32.2@88.773,92.395 88.773,89.154 90.896,87.031 90.896,86.904 U5.52@90.896,78.512
USART4_TX: LED12.2 R33.1 U5.51 | length 16.6
  Top Layer w0.254: U5.51@91.396,78.512 91.419,78.535 R33.1@91.419,92.395 ; R33.1@91.44,92.395 LED12.2@94.107,92.395
VIBRATION1_IN_MCU: C30.2 R139.1 U5.39 U10.1 | length 55.7
  Top Layer w0.254: v5(91.694,72.263) 91.795,72.162 U5.39@94.246,72.162
  Top Layer w0.508: U10.1@49.463,64.262 53.406,64.262 R139.1@53.787,63.881 C30.2@53.787,66.548
  Bottom Layer w0.254: v5(51.689,64.262) 52.324,64.897 88.773,64.897 91.694,67.818 v5(91.694,72.263)
VIBRATION2_IN_MCU: C35.2 R141.1 U5.40 U10.7 | length 66.1
  Top Layer w0.254: v5(91.821,73.406) 92.565,72.662 U5.40@94.246,72.662
  Top Layer w0.508: R141.1@38.923,63.119 C35.2@38.923,65.659 39.05,65.532 U10.7@44.263,65.532
  Bottom Layer w0.254: v5(42.672,65.532) 88.265,65.532 90.805,68.072 90.805,73.152 91.059,73.406 v5(91.821,73.406)
"VIBRATION SENSOR1": C29.1 P5.2 R73.2 U10.3 | length 73.9
  Top Layer w0.508: P5.2@4.191,97.103 8.434,97.103 11.176,94.361 27.178,94.361 v5(27.432,94.107) ; U10.3@49.463,66.802 50.673,66.802 51.689,67.818 v3(51.689,68.453) 52.324,69.088 R73.2@53.787,69.088 C29.1@53.787,71.755
  Bottom Layer w0.508: v5(27.432,94.107) 28.702,92.837 28.702,89.027 37.084,80.645 37.084,75.438 38.227,74.295 42.291,74.295 45.593,70.993 45.593,69.342 46.482,68.453 v3(51.689,68.453)
"VIBRATION SENSOR2": C34.1 P5.3 R140.2 U10.5 | length 65.5
  Top Layer w0.508: P5.3@4.191,93.143 26.999,93.143 v5(27.305,92.837) ; R140.2@38.923,70.739 C34.1@38.923,68.199 39.05,68.072 U10.5@44.263,68.072 44.196,68.139 v3(44.196,69.469)
  Bottom Layer w0.508: v5(27.305,92.837) 27.305,89.027 36.068,80.264 36.068,74.676 37.338,73.406 41.656,73.406 44.196,70.866 v3(44.196,69.469)
pads on no net: P12.8 P13.8 U1.8 U3.7 U3.8 U3.9 U3.10 U4.1 U4.2 U4.3 U4.4 U4.5 U4.17 U5.2 U5.3 U5.4 U5.28 U5.44 U5.45 U5.50 U5.53 U5.54 U17.7 U17.8 U17.9 U17.10
copper on no net:
  other v10: 102.743,118.745 115.443,118.745

## Polygon pours and split planes (outlines as drawn)
24V0 on Top Layer "Bottom Layer-No Net" (solid, remove dead copper, pour order 6): 14.351,129.794 14.859,129.286 86.106,129.286 86.106,110.49 83.566,107.95 78.105,102.489 47.625,102.489 47.498,102.489 41.275,96.266 40.005,94.996 40.005,44.958 40.005,44.196 43.688,40.513 44.196,40.005 133.35,40.005 134.239,40.005 138.811,44.577 138.049,45.339 138.049,123.317 138.049,128.143 139.7,129.794 166.624,129.794 166.878,129.794 169.926,126.746 169.926,117.094 169.926,115.443 172.72,112.649 178.943,106.426 178.943,74.93 178.943,15.367 175.768,12.192 174.244,10.668 168.275,10.668 168.275,6.858 162.306,0.889 160.909,-0.508 150.241,-0.508 16.256,-0.508 11.176,4.572 10.414,5.334 10.414,10.414 10.414,10.795 5.969,15.24 0.635,20.574 0.635,31.242 0.635,112.522 2.794,114.681 5.461,117.348 10.414,117.348 10.414,120.396 11.811,121.793 14.224,124.206 14.224,129.667
GND on Top Layer "Bottom Layer-No Net" (solid, remove dead copper, pour order 10): 86.614,129.413 137.287,129.413 138.43,128.27 137.287,127.127 137.287,45.212 137.287,45.085 131.826,39.624 131.318,40.132 45.847,40.132 45.212,40.132 40.259,45.085 38.862,46.482 38.862,93.212 38.862,94.107 48.514,103.759 48.895,103.378 77.47,103.378 78.486,103.378 86.106,110.998 86.233,111.125 86.233,129.54
24V0 on Bottom Layer "Bottom Layer-No Net" (solid, remove dead copper, pour order 8): 15.24,129.286 87.503,129.286 87.63,129.159 86.36,127.889 86.36,109.728 86.36,109.601 79.121,102.362 77.089,100.33 46.101,100.33 46.101,99.949 38.735,92.583 38.735,43.942 40.64,43.942 44.196,40.386 45.212,39.37 133.858,39.37 133.858,40.513 138.43,45.085 138.938,45.593 138.938,127.508 138.938,127.635 140.589,129.286 140.97,128.905 168.656,128.905 168.656,127.762 170.053,126.365 170.434,125.984 170.434,115.189 170.434,113.665 178.816,105.283 178.816,14.859 178.054,14.859 173.863,10.668 173.609,10.414 168.529,10.414 168.529,7.747 166.624,5.842 161.29,0.508 160.909,0.508 15.494,0.508 15.113,0.889 10.541,5.461 10.541,5.715 10.541,10.541 10.16,10.922 0.762,20.32 0.762,20.955 0.762,111.633 1.651,112.522 4.699,115.57 4.699,116.967 9.652,116.967 9.779,117.094 10.922,118.237 10.922,120.777
GND on Bottom Layer "Bottom Layer-No Net" (solid, remove dead copper, pour order 12): 86.868,130.175 138.382,130.175 138.557,130 136.779,128.222 136.779,44.704 136.144,44.704 131.445,40.005 130.683,40.767 45.339,40.767 45.339,42.799 39.116,49.022 38.989,49.149 38.989,94.996 39.624,94.996 48.006,103.378 49.022,102.362 77.597,102.362 77.597,103.378 85.471,111.252

## Keep-outs
Keep-Out Layer:
  lines w0.1: 0,-5 180,-5
  lines w0.2: 0,1.143 0,128.73 cw(c1.27,128.73) 1.27,130 178.73,130 cw(c178.73,128.73) 180,128.73 180,1.27 cw(c178.73,1.27) 178.73,0 ; 0,2.032 0,1.27 ccw(c1.27,1.27) 1.27,0 ; 1.905,0 1.27,0 ; 178.054,0 178.73,0 ; 1.27,0 178.73,0

## Other copper
Top Layer:
  rectangle net +24V: 0.635,68.072 6.858,71.755
  rectangle net +5V: 1.016,99.314 7.239,104.638
  rectangle net +24VIN: 2.286,113.03 17.526,119.507
  rectangle net +24V: 13.716,102.997 33.274,108.966
  rectangle net +24V: 13.843,97.409 33.274,102.997
  region net +24V: 32.956,101.409 38.989,107.442 35.369,111.062 29.337,105.029
  rectangle net +24V: 35.306,105.537 44.958,112.268
  rectangle net GND: 37.719,101.6 39.751,104.267
  rectangle net +3.3V: 35.306,72.644 37.592,83.058
  region net 24V0: 167.958,6.54 172.72,11.303 170.561,13.462 165.799,8.699
Bottom Layer:
  rectangle net +5V: 1.016,99.314 7.112,103.251
  rectangle net +24V: 0.796,68.072 6.096,72.644
  region net 24V0: 166.052,5.016 171.641,10.605 169.736,12.51 164.147,6.921

## Silkscreen, mask and mechanical layers (free items; w line width, h text height)
Top Overlay:
  text "GND" at 30.734,117.856 h0.8
  text "SCK" at 34.544,117.856 h0.8
  text "DATA" at 38.1,117.856 h0.8
  text "+3V3" at 42.164,117.856 h0.8
  text "24V0" at 49.784,117.856 h0.8
  text "+24VIN" at 56.896,117.856 h0.8
  text "485-B1" at 63.119,117.856 h0.8
  text "485-A1" at 67.945,117.856 h0.8
  text "24V0" at 74.198,117.856 h0.8
  text "+24VIN" at 81.31,117.856 h0.8
  text "485-B1" at 87.533,117.856 h0.8
  text "485-A1" at 92.359,117.856 h0.8
  text "+24VIN" at 8.285,117.475 h0.8
  text "24V0" at 9.525,110.109 h0.8
  text "OUT4" at 169.418,102.616 h0.8 r45
  text "+5V" at 10.922,100.203 h0.8
  text "OUT3" at 169.291,99.314 h0.8 r45
  text "OUT2" at 169.164,96.012 h0.8 r45
  text "VER1" at 10.922,95.631 h0.8
  text "OUT1" at 169.164,93.345 h0.8 r45
  text "VER2" at 10.922,92.583 h0.8
  text "GND" at 11.049,90.678 h0.8
  text "PNP2" at 169.291,87.503 h0.8 r45
  text "PNP1" at 169.418,84.328 h0.8 r45
  text "TXD" at 10.668,82.423 h0.8
  text "GND" at 92.217,81.973 h0.8 r60
  text "SCLK" at 93.715,81.592 h0.8 r60
  text "SDIO" at 95.443,81.516 h0.8 r60
  text "+3V3" at 96.992,81.338 h0.8 r60
  text "GND" at 10.668,79.375 h0.8
  text "NPN2" at 169.291,79.375 h0.8 r45
  text "NPN1" at 169.418,75.946 h0.8 r45
  text "RXD" at 10.795,75.819 h0.8
  text "24V0" at 169.291,71.374 h0.8 r45
  text "+24V" at 8.89,69.342 h0.8
  text "+24V" at 168.275,67.945 h0.8
  text "Ali_Main_Board_V2.0" at 105.958,64.6 h0.8
  text "24V0" at 9.017,64.389 h0.8
  text "2019-01-29" at 106.089,63.237 h0.8
  text "+24V" at 9.017,58.42 h0.8
  text "24V0" at 9.017,53.467 h0.8
  text "RUN1" at 9.144,46.101 h0.8
  text "DIR1" at 9.144,42.037 h0.8
  text "RUN2" at 9.017,37.719 h0.8
  text "R_CLOSE" at 165.735,37.465 h0.8
  text "DIR2" at 9.017,33.909 h0.8
  text "R_OPEN" at 166.116,33.528 h0.8
  text "R_OP" at 168.148,29.337 h0.8
  text "B2" at 168.783,25.146 h0.8
  text "A2" at 168.783,21.209 h0.8
  text "24V0" at 167.767,17.653 h0.8
  text "+24V" at 167.894,13.589 h0.8
  text "+24V" at 84.963,11.557 h0.8
  text "24V0" at 89.662,11.557 h0.8
  text "A1" at 94.107,11.557 h0.8
  text "B1" at 98.171,11.557 h0.8
  text "L_OP" at 100.203,11.557 h0.8
  text "L_OPEN" at 104.394,11.557 h0.8
  text "L_CLOSE" at 109.728,11.557 h0.8
  text "Main Board_V15.00" at 29.845,1.27 h0.8
Mechanical 1:
  circle w0.1: c181.178,6.096 r0.813
  lines w0.1: -8.001,0 0,0 0,-16.383 ; -7.874,130 0,130 ; -4.953,5 5,5 5,-11.049 ; -3.397,125 5,125 ; 175,-6.979 175,5 ; 176.784,4.699 188.087,4.699 192.151,8.763 ; 180,-15.494 180,0 ; 180.34,5.461 181.864,6.985
  lines w0.254: -8.255,1.524 -7.747,0 ; -8.255,128.476 -7.747,130 ; -8.001,0 -7.493,0 ; -8.001,130 -7.493,130 ; -7.747,59.261 -7.747,0 ; -7.747,70.739 -7.747,130 ; -7.239,1.524 -7.747,0 ; -7.239,128.476 -7.747,130 ; -5.461,-1.524 -4.953,0 ; -5.461,6.524 -4.953,5 ; -5.207,0 -4.699,0 ; -5.207,5 -4.699,5 ; -4.953,-2.54 -4.953,0 ; -4.953,7.54 -4.953,5 ; -4.445,-1.524 -4.953,0 ; -4.445,6.524 -4.953,5 ; -3.556,6.524 -3.048,5 ; -3.556,123.476 -3.048,125 ; -3.302,5 -2.794,5 ; -3.302,125 -2.794,125 ; -3.048,59.261 -3.048,5 ; -3.048,70.739 -3.048,125 ; -2.54,-9.779 0,-9.779 ; -2.54,6.524 -3.048,5 ; -2.54,123.476 -3.048,125 ; -1.524,-10.287 0,-9.779 ; -1.524,-9.271 0,-9.779 ; 0,-10.033 0,-9.525 ; 0.127,-13.716 0.127,-13.208 ; 1.651,-13.97 0.127,-13.462 ; 1.651,-12.954 0.127,-13.462 ; 5,-10.033 5,-9.525 ; 5.08,-6.35 5.08,-5.842 ; 6.524,-10.287 5,-9.779 ; 6.524,-9.271 5,-9.779 ; 6.604,-6.604 5.08,-6.096 ; 6.604,-5.588 5.08,-6.096 ; 7.54,-9.779 5,-9.779 ; 84.341,-6.096 5.08,-6.096 ; 84.388,-13.462 0.127,-13.462 ; 95.819,-6.096 175.08,-6.096 ; 95.866,-13.462 180.127,-13.462 ; 173.556,-6.604 175.08,-6.096 ; 173.556,-5.588 175.08,-6.096 ; 175.08,-6.35 175.08,-5.842 ; 178.603,-13.97 180.127,-13.462 ; 178.603,-12.954 180.127,-13.462 ; 180.127,-13.716 180.127,-13.208
  text "130 (mm)" at -6.833,59.515 h1.52 r90
  text "120 (mm)" at -2.134,59.515 h1.52 r90
  text "3.5mm" at 182.245,5.461 h0.8
  text "5 (mm)" at -1.296,-1.588 h1.52 r90
  text "170 (mm)" at 84.595,-7.01 h1.52
  text "5 (mm)" at -1.588,-13.436 h1.52
  text "180 (mm)" at 84.642,-14.376 h1.52

## Text inside footprints (layer, text, board x,y; h text height)
C2: Top Overlay "+" at 39.497,112.522 h0.8
C4: Top Overlay "+" at 42.24,88.646 h0.8 r180
C6: Top Overlay "+" at 34.671,75.438 h0.8
C13: Top Overlay "+" at 108.407,91.44 h0.8 r180
Q3: Top Overlay "S" at 26.531,51.576 h0.8 r90; Top Overlay "D" at 26.531,49.29 h0.8 r90; Top Overlay "G" at 26.531,47.004 h0.8 r90
Q4: Top Overlay "S" at 26.531,69.356 h0.8 r90; Top Overlay "D" at 26.531,67.07 h0.8 r90; Top Overlay "G" at 26.531,64.784 h0.8 r90
Q5: Top Overlay "S" at 26.531,60.466 h0.8 r90; Top Overlay "D" at 26.531,58.18 h0.8 r90; Top Overlay "G" at 26.531,55.894 h0.8 r90
Q6: Top Overlay "S" at 26.531,34.036 h0.8 r90; Top Overlay "D" at 26.531,31.75 h0.8 r90; Top Overlay "G" at 26.531,29.464 h0.8 r90
Q7: Top Overlay "S" at 26.531,16.637 h0.8 r90; Top Overlay "D" at 26.531,14.351 h0.8 r90; Top Overlay "G" at 26.531,12.065 h0.8 r90
Q8: Top Overlay "S" at 26.531,42.813 h0.8 r90; Top Overlay "D" at 26.531,40.527 h0.8 r90; Top Overlay "G" at 26.531,38.241 h0.8 r90
Q9: Top Overlay "S" at 26.531,25.146 h0.8 r90; Top Overlay "D" at 26.531,22.86 h0.8 r90; Top Overlay "G" at 26.531,20.574 h0.8 r90
Q10: Top Overlay "S" at 26.531,8.001 h0.8 r90; Top Overlay "D" at 26.531,5.715 h0.8 r90; Top Overlay "G" at 26.531,3.429 h0.8 r90
Q11: Top Overlay "S" at 154.19,72.898 h0.8 r270; Top Overlay "D" at 154.19,75.184 h0.8 r270; Top Overlay "G" at 154.19,77.47 h0.8 r270
Q12: Top Overlay "S" at 153.936,53.086 h0.8 r270; Top Overlay "D" at 153.936,55.372 h0.8 r270; Top Overlay "G" at 153.936,57.658 h0.8 r270
Q13: Top Overlay "S" at 154.063,81.407 h0.8 r270; Top Overlay "D" at 154.063,83.693 h0.8 r270; Top Overlay "G" at 154.063,85.979 h0.8 r270
Q14: Top Overlay "S" at 153.936,61.595 h0.8 r270; Top Overlay "D" at 153.936,63.881 h0.8 r270; Top Overlay "G" at 153.936,66.167 h0.8 r270
Q15: Top Overlay "S" at 73.406,29.071 h0.8 r180; Top Overlay "D" at 75.692,29.071 h0.8 r180; Top Overlay "G" at 77.978,29.071 h0.8 r180
Q16: Top Overlay "S" at 132.334,29.198 h0.8 r180; Top Overlay "D" at 134.62,29.198 h0.8 r180; Top Overlay "G" at 136.906,29.198 h0.8 r180
Q17: Top Overlay "S" at 82.042,29.071 h0.8 r180; Top Overlay "D" at 84.328,29.071 h0.8 r180; Top Overlay "G" at 86.614,29.071 h0.8 r180
Q18: Top Overlay "S" at 140.843,29.198 h0.8 r180; Top Overlay "D" at 143.129,29.198 h0.8 r180; Top Overlay "G" at 145.415,29.198 h0.8 r180
Q19: Top Overlay "S" at 64.77,29.071 h0.8 r180; Top Overlay "D" at 67.056,29.071 h0.8 r180; Top Overlay "G" at 69.342,29.071 h0.8 r180
Q20: Top Overlay "S" at 56.007,29.071 h0.8 r180; Top Overlay "D" at 58.293,29.071 h0.8 r180; Top Overlay "G" at 60.579,29.071 h0.8 r180
Q21: Top Overlay "S" at 123.698,29.198 h0.8 r180; Top Overlay "D" at 125.984,29.198 h0.8 r180; Top Overlay "G" at 128.27,29.198 h0.8 r180
Q22: Top Overlay "S" at 114.808,29.198 h0.8 r180; Top Overlay "D" at 117.094,29.198 h0.8 r180; Top Overlay "G" at 119.38,29.198 h0.8 r180
Q23: Top Overlay "S" at 154.063,89.916 h0.8 r270; Top Overlay "D" at 154.063,92.202 h0.8 r270; Top Overlay "G" at 154.063,94.488 h0.8 r270
Q24: Top Overlay "S" at 153.936,107.315 h0.8 r270; Top Overlay "D" at 153.936,109.601 h0.8 r270; Top Overlay "G" at 153.936,111.887 h0.8 r270
Q25: Top Overlay "S" at 153.936,98.679 h0.8 r270; Top Overlay "D" at 153.936,100.965 h0.8 r270; Top Overlay "G" at 153.936,103.251 h0.8 r270
Q26: Top Overlay "S" at 153.809,115.697 h0.8 r270; Top Overlay "D" at 153.809,117.983 h0.8 r270; Top Overlay "G" at 153.809,120.269 h0.8 r270